# Allegro board zp-dic_pda_8ch_board_v001_166_20241018_1809.brd (continued)
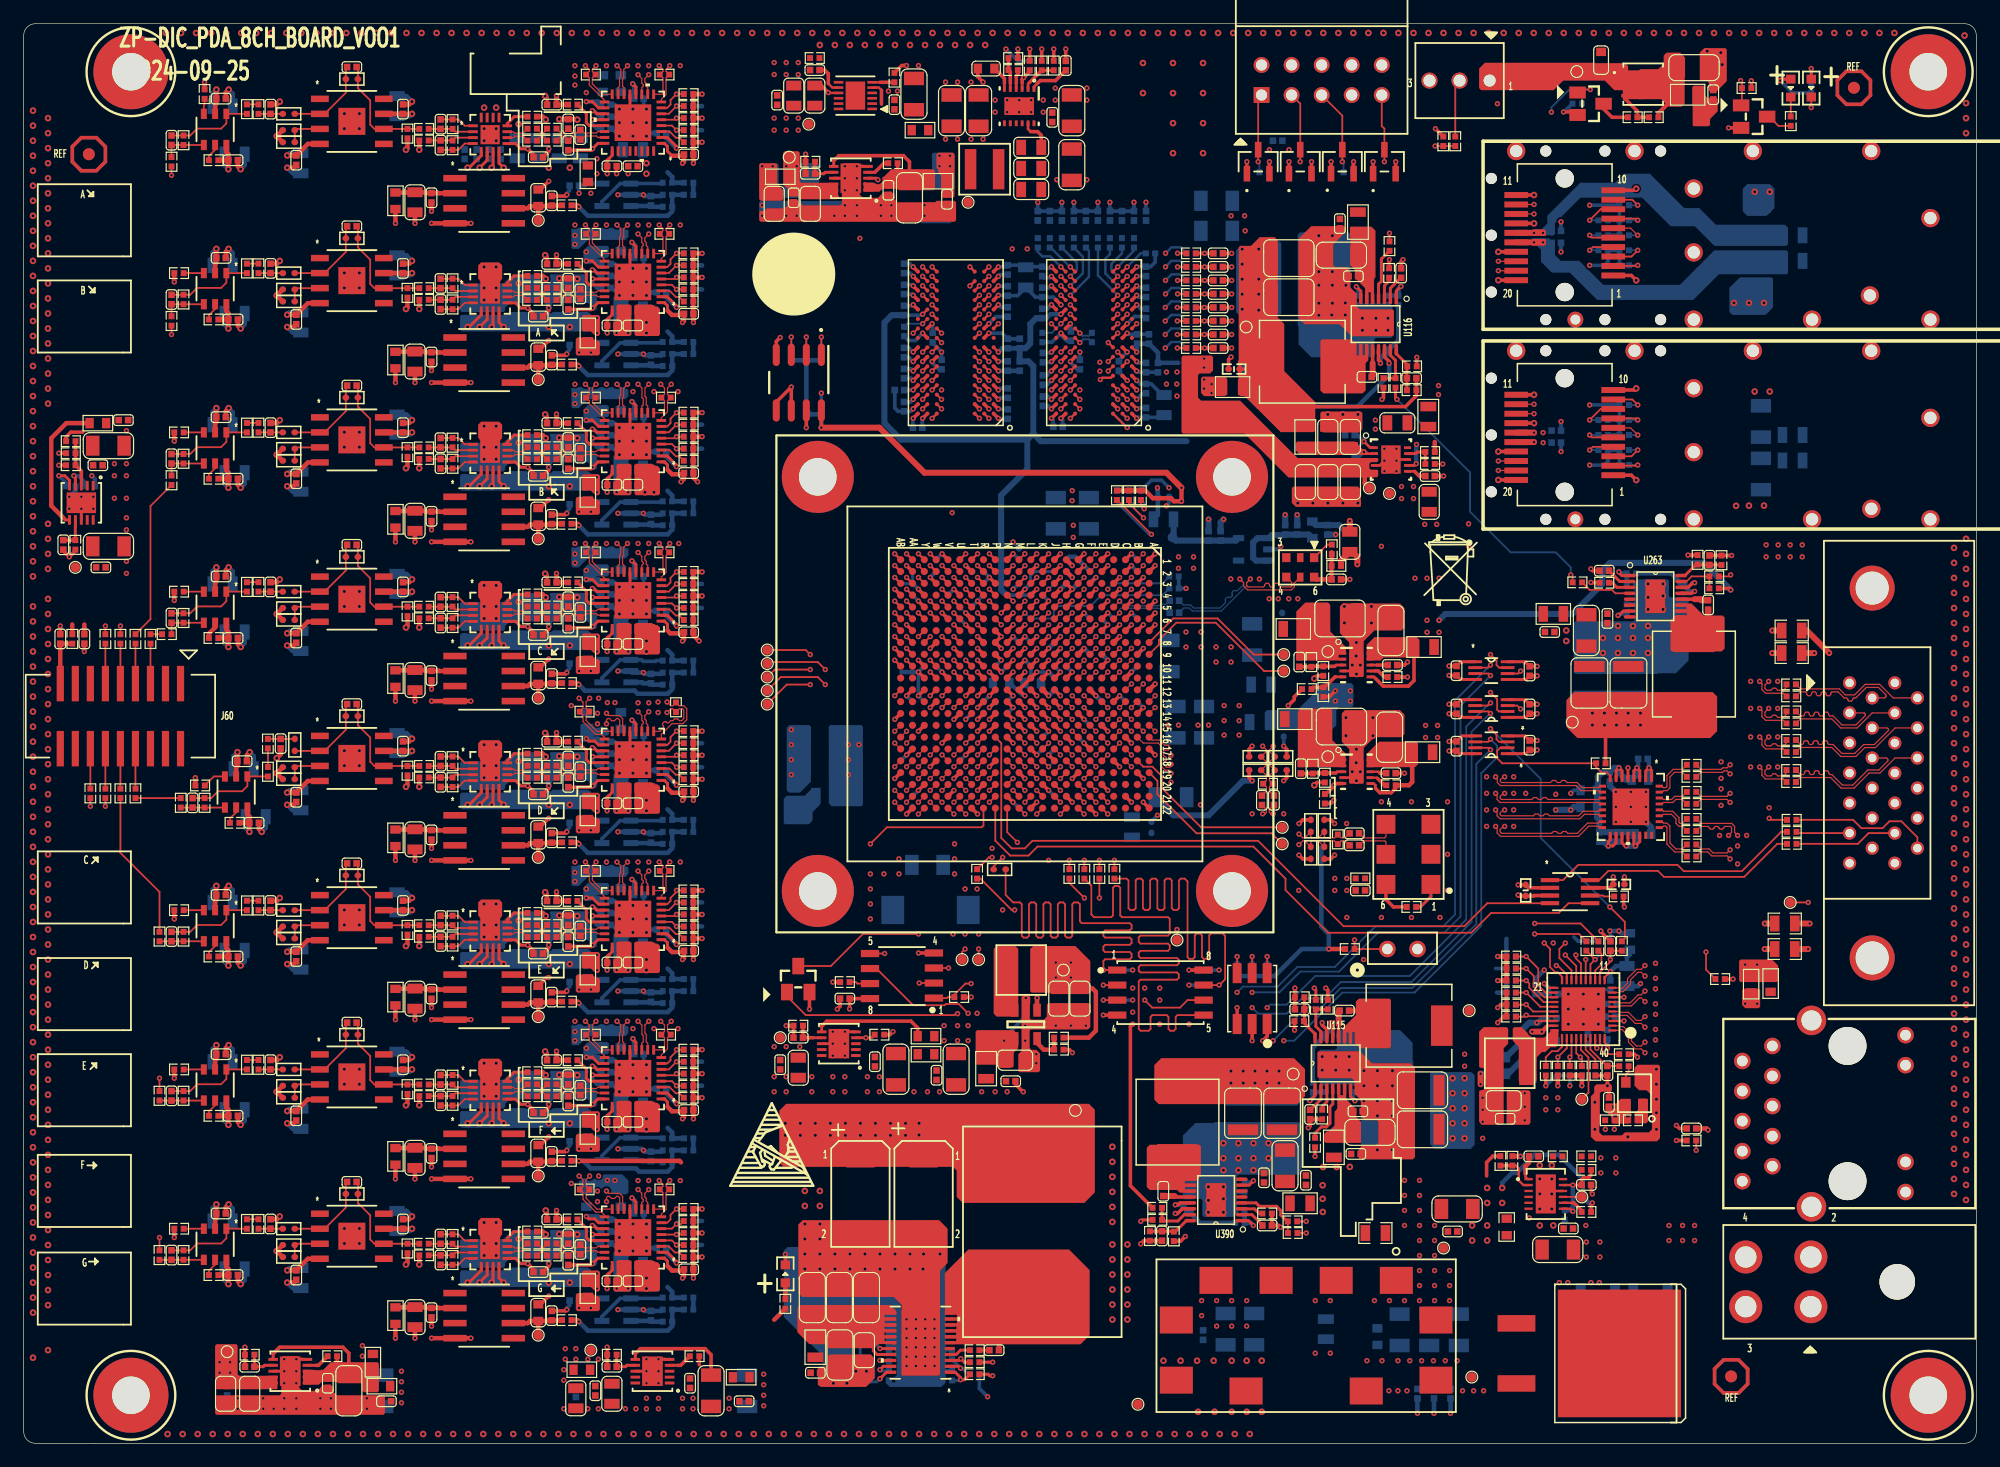
[diagram p0: board, top side]
## Routing (per net, layer and track width the routed paths; a pad name or vN(x,y) marks a point on that pad's centre or on a via; arc(x,y) is an arc through that point) (continued)
DDR3_A_D24: length 20.5
  TOP w0.203: U76.D7 v1(88.45,89.04) ; U1.N2 v1(83.6,74.19)
  ART03 w0.102: 88.05,86.43 88.05,87.75 88.15,87.85 88.75,87.85 88.85,87.95 88.85,88.16 88.75,88.26 88.15,88.26 88.05,88.36 88.05,88.64 v1(88.45,89.04)
  ART03 w0.165: v1(83.6,74.19) 83.6,74.58 83.18,75.01 83.18,75.53 83.42,75.77 83.86,75.77 84.03,75.93 84.03,76.55 87.35,79.87 87.35,81.36 88.54,82.55 88.54,85.94 88.05,86.43
DDR3_A_D25: length 18.4
  TOP w0.203: U1.L1 v1(85.6,75.19) ; U76.C3 v1(92.45,88.24)
  ART03 w0.102: v1(92.45,88.24) 92.75,88.24 92.85,88.14 92.85,87.27 92.61,87.04 92.41,87.04 92.38,87.01
  ART03 w0.165: v1(85.6,75.19) 85.6,75.64 86.31,76.35 86.81,76.35 88.56,78.1 88.89,78.1 89.94,79.15 89.94,79.98 91.99,82.03 91.99,84.59 91.88,84.71 91.88,86.52 92.37,87.01 92.38,87.01
DDR3_A_D26: length 25.2
  TOP w0.203: U76.C8 v1(87.65,88.24) ; U1.L5 v1(85.6,71.19)
  ART03 w0.102: 86.48,88.64 87.25,88.64 v1(87.65,88.24)
  ART03 w0.165: v1(85.6,71.19) 85.21,71.19 84.63,71.77 84.43,71.77 84.07,72.12 84.07,72.33 83.68,72.72 83.48,72.72 82.63,73.56 82.63,76.49 86.34,80.2 86.34,83.71 86.51,83.87 86.57,83.87 86.74,84.04 86.74,84.37 86.57,84.53 86.51,84.53 86.34,84.7 86.34,85.03 86.51,85.19 86.57,85.19 86.74,85.36 86.74,85.69 86.57,85.85 86.51,85.85 85.46,86.9 85.46,88.21 85.89,88.64 86.48,88.64
DDR3_A_D27: length 22.6
  TOP w0.203: U76.C2 v1(93.25,88.24) ; U1.L3 v1(85.6,73.19)
  ART03 w0.102: v1(93.25,88.24) 93.25,88.01 93.65,87.61 93.65,87.27 93.41,87.04 93.08,87.04 92.8,86.75
  ART03 w0.165: 92.8,86.75 92.56,86.75 92.35,86.54 92.35,85.22 92.46,85.1 92.46,84.94 92.62,84.78 92.76,84.78 92.92,84.61 92.92,84.28 92.76,84.12 92.62,84.12 92.46,83.95 92.46,83.62 92.62,83.46 92.76,83.46 92.92,83.29 92.92,82.96 92.76,82.8 92.62,82.8 92.46,82.63 92.46,81.83 90.55,79.92 90.55,77.74 89.97,77.16 88.56,77.16 87.47,76.07 86.77,76.07 86.1,75.41 86.1,73.69 v1(85.6,73.19)
DDR3_A_D28: length 22.4
  TOP w0.203: U1.M3 v1(84.6,73.19) ; U76.A7 v1(88.45,86.64)
  ART03 w0.165: v1(84.6,73.19) 84.6,73.43 84.03,74 84.03,75.34 84.5,75.82 84.5,76.36 87.82,79.68 87.82,80.36 88.22,80.76 88.22,81 88.05,81.17 88.05,81.4 88.28,81.63 88.52,81.63 88.67,81.48 88.91,81.48 89.07,81.64 89.07,81.92 88.97,82.02 88.97,82.34 89.14,82.51 89.8,82.51 89.96,82.67 89.96,84.22 90.23,84.49 90.23,85.05 90.07,85.21 89.58,85.21 89.42,85.38 89.42,85.71 89.58,85.87 90.02,85.87 90.19,86.04 90.19,86.78 90.02,86.95 89.79,86.95 89.58,86.74 89.2,86.74 88.9,87.05 88.61,87.05 88.45,86.88 v1(88.45,86.64)
DDR3_A_D29: length 20.1
  TOP w0.203: U76.A2 v1(93.25,86.64) ; U1.K1 v1(86.6,75.19)
  ART03 w0.165: v1(93.25,86.64) 92.82,86.21 92.82,85.62 93.56,84.88 93.93,84.88 94.09,84.71 94.09,84.38 93.93,84.22 93.56,84.22 93.39,84.05 93.39,83.72 93.56,83.56 93.93,83.56 94.09,83.39 94.09,83.06 93.93,82.9 93.56,82.9 93.39,82.73 93.39,81.83 92.95,81.39 92.69,81.39 92.35,81.06 92.35,80.79 92.02,80.46 91.75,80.46 91.42,80.12 91.42,79.86 91.17,79.61 91.17,79.37 91.33,79.21 91.34,79.21 91.49,79.06 91.49,78.86 91.34,78.71 91.16,78.71 91.02,78.57 91.02,77.54 89.64,76.16 88.36,76.16 87.9,75.69 86.77,75.69 86.6,75.53 v1(86.6,75.19)
DDR3_A_D30: length 21.7
  TOP w0.203: U1.N3 v1(83.6,73.19) ; U76.B8 v1(87.65,87.44)
  ART03 w0.102: v1(87.65,87.44) 87.65,87.67 87.35,87.97 87.24,87.97 87.11,87.84 86.66,87.84 86.44,88.06
  ART03 w0.165: v1(83.6,73.19) 83.75,73.34 83.75,73.57 83.58,73.74 83.12,73.74 82.91,73.95 82.91,76.1 86.81,80 86.81,81.82 87.55,82.56 87.55,85.59 86.93,86.21 86.67,86.21 85.82,87.06 85.82,87.67 86.21,88.06 86.44,88.06
DDR3_A_D31: length 20.4
  TOP w0.203: v1(93.25,85.86) 93.23,85.86 U76.A3 ; U1.K2 v1(86.6,74.19)
  ART03 w0.165: v1(93.25,85.86) 93.61,85.86 93.71,85.76 93.94,85.76 94.15,85.98 94.39,85.98 94.62,85.74 94.62,85.51 94.41,85.3 94.41,85.06 94.56,84.91 94.56,82.33 91.96,79.73 91.96,77.81 89.76,75.62 89.29,75.62 89.12,75.45 89.12,75.11 88.78,74.77 86.77,74.77 86.6,74.6 v1(86.6,74.19)
DDR3_A_DM0: length 21.7
  TOP w0.203: U1.AB1 v1(73.6,75.19) ; U75.E7 v1(76.76,89.84)
  ART08 w0.102: v1(76.76,89.84) 76.36,90.24 74.72,90.24
  ART08 w0.165: 74.72,90.24 74.56,90.08 74.56,89.01 73.73,88.18 73.73,87.81 73.9,87.65 74.56,87.65 74.72,87.48 74.72,87.15 74.56,86.99 73.9,86.99 73.73,86.82 73.73,85.47 73.68,85.47 73.02,84.81 73.02,79.11 72.77,78.86 72.77,77.13 72.93,76.97 73.1,76.97 73.26,76.8 73.26,76.47 73.1,76.31 73.06,76.31 72.89,76.14 72.89,75.91 v1(73.6,75.19)
DDR3_A_DM1: length 23.5
  TOP w0.203: U75.D3 v1(80.76,89.04) ; U1.U3 v1(78.6,73.19)
  ART03 w0.165: v1(80.76,89.04) 79.87,88.14 79.87,86.21 81.76,84.31 82.3,84.31 82.47,84.15 82.47,83.82 82.3,83.65 81.76,83.65 81.59,83.49 81.59,83.24 81.76,83.08 82.05,83.08 82.22,82.91 82.22,82.58 82.05,82.42 81.76,82.42 81.59,82.25 81.59,81.43 81.43,81.26 81,81.26 80.57,80.83 80.57,80.62 80.74,80.45 81.29,80.45 81.45,80.29 81.45,79.96 81.29,79.79 80.74,79.79 80.57,79.63 80.57,78.02 78.76,76.21 78.76,74.7 79.04,74.42 79.04,73.99 78.6,73.55 v1(78.6,73.19)
DDR3_A_DM2: length 25.9
  TOP w0.203: U1.P1 v1(81.6,75.19) ; U76.E7 v1(88.45,89.84)
  ART08 w0.102: v1(88.45,89.84) 88.05,89.44 88.05,86.43
  ART08 w0.165: 88.05,86.43 87.22,85.6 87.22,85.37 87.54,85.05 87.54,84.81 87.31,84.58 87.08,84.58 86.75,84.9 86.48,84.9 86.09,84.51 86.09,84.28 86.66,83.7 86.66,83.47 87.09,83.04 87.09,82.12 86.93,81.96 85.81,81.96 85.43,81.58 85.43,80.91 85.72,80.63 86.97,80.63 87.13,80.46 87.13,80.13 86.97,79.97 86.1,79.97 85.94,79.8 85.94,77.66 85.1,76.83 84.87,76.83 84.7,76.99 84.47,76.99 84.23,76.76 84.23,76.53 84.4,76.36 84.4,76.12 84.04,75.77 83.58,75.77 83,75.19 v1(81.6,75.19)
DDR3_A_DM3: length 23.3
  TOP w0.203: U76.D3 v1(92.45,89.04) ; U1.K3 v1(86.6,73.19)
  ART03 w0.102: 94.61,87.44 94.21,87.84 93.88,87.84 93.65,88.07 93.65,88.41 93.41,88.64 92.85,88.64 v1(92.45,89.04)
  ART03 w0.165: 94.61,87.44 95.09,86.96 95.09,82.2 92.47,79.58 92.47,77.66 90.12,75.3 90.12,75.1 89.67,74.65 89.46,74.65 89.15,74.34 89.15,74.14 88.7,73.69 87.1,73.69 v1(86.6,73.19)
DDR3_A_DQS0_N: length 24.4
  TOP w0.165: U75.G3 v1(80.76,91.44) ; U1.Y2 v1(75.6,74.19)
  ART08 w0.102: 75.89,74.01 76.01,74.13 76.01,75.28 76,75.29 76,75.46 76.04,75.5 76.04,75.51 76.06,75.53
  ART08 w0.114: 76.06,75.53 77.47,76.94 77.47,80.21 77.71,80.45 77.9,80.45 78.01,80.57 78.01,81.03 77.9,81.14 77.71,81.14 77.47,81.38 77.47,82.02 77.71,82.26 77.9,82.26 78.01,82.37 78.01,82.83 77.9,82.94 77.71,82.94 77.47,83.18 77.47,83.59 78.26,84.39 78.85,84.39 79.11,84.65 79.11,85.73 79.35,85.97 80.02,85.97 80.14,86.09 80.14,86.55 80.02,86.66 79.35,86.66 79.11,86.9 79.11,87.37 79.99,88.25 79.99,90.6 80.47,91.08 80.47,91.15 v1(80.76,91.44) ; 75.89,74.01 75.78,74.01 v1(75.6,74.19)
DDR3_A_DQS0_P: length 24.5
  TOP w0.165: U75.F3 v1(80.76,90.64) ; U1.Y3 v1(75.6,73.19)
  ART08 w0.102: 76.21,75.37 76.21,73.8
  ART08 w0.114: 76.21,73.8 v1(75.6,73.19) ; 76.21,75.37 77.68,76.85 77.68,80.12 77.8,80.24 77.99,80.24 78.23,80.48 78.23,81.12 77.99,81.36 77.8,81.36 77.68,81.47 77.68,81.93 77.8,82.04 77.99,82.04 78.23,82.28 78.23,82.92 77.99,83.16 77.8,83.16 77.68,83.27 77.68,83.5 78.35,84.17 78.94,84.17 79.33,84.56 79.33,85.64 79.44,85.76 80.11,85.76 80.35,86 80.35,86.64 80.11,86.88 79.44,86.88 79.33,86.99 79.33,87.28 80.21,88.16 80.21,90.51 80.47,90.77 80.63,90.77 v1(80.76,90.64)
DDR3_A_DQS1_N: length 21.1
  TOP w0.165: v1(77.56,87.44) U75.B7 ; U1.V2 v1(77.6,74.19)
  ART03 w0.114: v1(77.56,87.44) 77.85,87.73 78.09,87.73 78.29,87.53 78.63,87.53 78.76,87.65 78.92,87.65 79.08,87.49 79.08,87.33 78.96,87.2 78.96,86.86 79.17,86.65 79.17,86.09 79.07,85.99 79.07,85.54 79.71,84.9 79.71,84.65 79.95,84.41 80.36,84.41 80.48,84.29 80.48,83.84 80.36,83.72 79.95,83.72 79.71,83.48 79.71,82.98 79.95,82.74 80.62,82.74 80.73,82.63 80.73,82.17 80.62,82.05 79.95,82.05 79.71,81.81 79.71,78.38 79.41,78.08 79.25,78.08 79.22,78.12 79.05,78.12 78.89,77.96 78.89,77.79 78.93,77.76 78.93,77.6 78.71,77.38 78.42,77.38 78.24,77.2 78.24,76.91 78.06,76.73 78.06,76.42 77.87,76.23 77.87,75.92 78.06,75.73 78.06,74.65 v1(77.6,74.19)
DDR3_A_DQS1_P: length 20.8
  TOP w0.165: v1(77.56,88.24) U75.C7 ; U1.U2 v1(78.6,74.19)
  ART03 w0.114: v1(78.6,74.19) 78.28,74.52 78.28,76.64 79.93,78.29 79.93,81.72 80.04,81.84 80.71,81.84 80.95,82.08 80.95,82.72 80.71,82.96 80.04,82.96 79.93,83.07 79.93,83.39 80.04,83.51 80.45,83.51 80.69,83.75 80.69,84.38 80.45,84.62 80.04,84.62 79.93,84.74 79.93,84.99 79.28,85.63 79.28,85.9 79.38,86 79.38,86.74 79.17,86.95 79.17,87.11 79.3,87.24 79.3,87.58 79.01,87.87 78.67,87.87 78.54,87.74 78.38,87.74 78.18,87.95 77.85,87.95 v1(77.56,88.24)
DDR3_A_DQS2_N: length 30.6
  TOP w0.165: U1.N4 v1(83.6,71.19) ; U76.G3 v1(91.65,91.44)
  ART08 w0.102: 84.24,70.59 84.25,70.57 84.27,70.58 84.34,70.59 86.84,70.59 87.21,70.95 87.21,71.36 87.44,71.59 87.91,71.59 88.21,71.88 88.21,75.36
  ART08 w0.114: v1(83.6,71.19) 83.88,71.19 84,71.07 84,70.83 84.24,70.59 ; v1(91.65,91.44) 91.94,91.15 92.19,91.15 92.43,90.91 92.43,89.97 91.94,89.48 91.94,85.57 91.61,85.24 91.61,84.82 91.72,84.71 92.34,84.71 92.58,84.47 92.58,83.83 92.34,83.59 91.72,83.59 91.61,83.48 91.61,78.35 88.87,75.62 88.46,75.62 88.21,75.36
DDR3_A_DQS2_P: length 30.8
  TOP w0.165: U76.F3 v1(91.65,90.64) ; U1.M5 v1(84.6,71.19)
  ART08 w0.102: 88.06,75.52 88.04,75.5 88.04,75.49 88,75.45 88,75.28 88.01,75.27 88.01,71.97 87.83,71.79 87.36,71.79 87.01,71.44 87.01,71.04 86.76,70.79 84.34,70.79 84.33,70.81
  ART08 w0.114: 84.33,70.81 84.22,70.92 84.22,71.08 84.33,71.19 v1(84.6,71.19) ; v1(91.65,90.64) 91.94,90.93 92.1,90.93 92.22,90.82 92.22,90.06 91.73,89.57 91.73,89.45 91.53,89.25 91.53,88.99 91.73,88.8 91.73,88.54 91.53,88.34 91.53,88.08 91.73,87.88 91.73,87.62 91.53,87.43 91.53,87.17 91.73,86.97 91.73,86.71 91.53,86.51 91.53,86.25 91.73,86.05 91.73,85.66 91.39,85.33 91.39,84.73 91.63,84.49 92.25,84.49 92.36,84.38 92.36,83.92 92.25,83.81 91.63,83.81 91.39,83.57 91.39,83.41 91.26,83.28 91.26,82.96 91.39,82.82 91.39,78.44 91.17,78.22 91,78.22 91,78.22 90.84,78.22 90.68,78.06 90.68,77.9 90.68,77.89 90.68,77.73 90.52,77.57 90.36,77.57 90.35,77.57 90.19,77.57 90.03,77.41 90.03,77.25 90.03,77.25 90.03,77.09 89.73,76.78 89.5,76.78 89.29,76.57 89.29,76.34 88.78,75.83 88.37,75.83 88.06,75.52
DDR3_A_DQS3_N: length 19.9
  TOP w0.165: U1.M1 v1(84.6,75.19) ; v1(89.25,87.44) U76.B7
  ART03 w0.102: 86.07,76.98 86.05,76.96 86.05,76.95 86.01,76.91 86.01,76.9 85,75.9 85,74.91 84.82,74.73 84.6,74.73 84.49,74.83 84.49,75.08 v1(84.6,75.19)
  ART03 w0.114: v1(89.25,87.44) 89.25,87.64 89.42,87.82 90.12,87.82 91.01,86.92 91.01,83.93 90.9,83.82 90.85,83.82 90.61,83.58 90.61,83.17 90.85,82.93 90.9,82.93 91.01,82.81 91.01,82.28 89.07,80.34 89.07,79.51 88.64,79.07 88.16,79.07 86.07,76.98
DDR3_A_DQS3_P: length 20.6
  TOP w0.165: v1(89.25,88.24) U76.C7 ; U1.M2 v1(84.6,74.19)
  ART03 w0.102: 86.22,76.83 85.21,75.81 85.21,74.82 84.91,74.52 84.71,74.52 84.6,74.42 v1(84.6,74.19)
  ART03 w0.114: 86.22,76.83 88.25,78.85 88.73,78.85 89.29,79.42 89.29,80.25 91.23,82.19 91.23,82.22 91.34,82.33 91.34,82.79 90.99,83.15 90.94,83.15 90.83,83.26 90.83,83.49 90.94,83.6 90.99,83.6 91.33,83.95 91.33,84.32 91.23,84.43 91.23,86.23 91.38,86.39 91.38,86.69 91.23,86.84 91.23,87.01 90.75,87.49 90.75,87.75 90.56,87.94 90.3,87.94 90.21,88.03 89.45,88.03 v1(89.25,88.24)
DDR3_A_ODT: length 75.2
  TOP w0.203: R484.2 v1(97.48,93.73) ; U75.K1 82.36,94.64 v1(82.36,94.64) ; U76.K1 v1(94.05,94.64) ; U1.Y6 v1(75.6,70.19)
  ART06 w0.102: 80.25,94.84 80.45,95.04 81.96,95.04 82.08,94.92 82.08,94.92 v1(82.36,94.64) 82.65,94.92 82.65,94.92 82.77,95.04 93.65,95.04 v1(94.05,94.64) 94.42,94.26 96.95,94.26 v1(97.48,93.73)
  ART06 w0.178: v1(75.6,70.19) 75.13,70.67 75.13,71.48 75.38,71.73 75.82,71.73 77.14,73.05 77.14,73.33 77.46,73.66 78.79,73.66 79.12,73.99 79.12,74.4 79.4,74.68 79.75,74.68 80.04,74.96 80.04,77.32 80.41,77.7 82.39,77.7 82.57,77.87 82.57,78.23 82.39,78.41 80,78.41 79.82,78.59 79.82,78.94 80,79.12 82.39,79.12 82.57,79.3 82.57,79.65 82.39,79.83 79.9,79.83 79.73,80.01 79.73,80.37 79.9,80.54 82.39,80.54 82.57,80.72 82.57,81.08 82.39,81.25 80.97,81.25 80.8,81.43 80.8,83.14 80.97,83.31 83.36,83.31 83.54,83.49 83.54,83.85 83.36,84.03 80.41,84.03 80.23,84.2 80.23,84.56 80.41,84.74 83.36,84.74 83.54,84.91 83.54,85.27 83.36,85.45 80.41,85.45 79.85,86 79.85,94.44 80.25,94.84
DDR3_A_RAS_B: length 78.8
  TOP w0.203: R482.2 v1(97.48,92.58) ; U75.J3 v1(80.76,93.84) ; U1.W6 v1(76.6,70.19) ; U76.J3 v1(92.45,93.84)
  ART06 w0.102: v1(97.48,92.58) 97.03,93.04 94.76,93.04 93.56,94.24 92.85,94.24 v1(92.45,93.84) 92.04,94.24 87.42,94.24 87.42,94.24 84.92,94.24 84.82,94.34 84.82,94.44 84.72,94.54 84.52,94.54 84.42,94.44 84.42,94.34 84.31,94.24 81.16,94.24 v1(80.76,93.84)
  ART06 w0.178: v1(76.6,70.19) 76.12,70.68 76.12,71.32 77.56,72.76 82.28,72.76 83.17,73.66 83.17,75.8 83,75.98 81.49,75.98 81.32,76.16 81.32,76.51 81.49,76.69 83,76.69 83.17,76.87 83.17,77.36 83.18,77.37 83.18,77.55 83.36,77.72 86.1,77.72 86.28,77.9 86.28,78.26 86.1,78.44 83.36,78.44 83.18,78.61 83.18,78.97 83.36,79.15 86.1,79.15 86.28,79.32 86.28,79.68 86.1,79.86 83.36,79.86 83.18,80.04 83.18,80.39 83.36,80.57 86.1,80.57 86.28,80.75 86.28,81.1 86.1,81.28 83.36,81.28 83.18,81.46 83.18,81.84 84.49,83.15 84.49,84.47 84.67,84.65 86.18,84.65 86.36,84.82 86.36,85.18 86.18,85.36 84.67,85.36 83.92,86.11 80.68,86.11 80.18,86.6 80.18,93.26 v1(80.76,93.84)
DDR3_A_RESET_B: length 72.5
  TOP w0.203: U76.T2 v1(93.25,99.44) ; U75.T2 v1(81.56,99.44) ; U1.W12 v1(76.6,63.19)
  ART06 w0.178: v1(93.25,99.44) 92.76,99.92 82.05,99.92 v1(81.56,99.44)
  ART08 w0.102: 74.62,99.04 77.41,99.04 77.52,98.93
  ART08 w0.165: v1(76.6,63.19) 75.74,64.06 71.62,64.06 64.11,71.57 64.11,91.09 66.09,93.08 67.82,93.08 73.78,99.04 74.62,99.04 ; v1(81.56,99.44) 80.82,99.44 80.31,98.93 77.52,98.93
  BOTTOM w0.203: R8.1 94.39,100.58 v1(93.25,99.44)
DDR3_A_S0_B: length 73.2
  TOP w0.203: R479.2 v1(97.5,97.16) ; U75.L2 v1(81.56,95.44) ; U1.AA5 v1(74.6,71.19) ; U76.L2 v1(93.25,95.44)
  ART06 w0.102: v1(97.5,97.16) 96.99,96.64 95.65,96.64 94.45,95.44 v1(93.25,95.44) 92.85,95.84 85.04,95.84 84.94,95.94 84.94,96.06 84.84,96.16 84.64,96.16 84.53,96.06 84.53,95.94 84.43,95.84 81.96,95.84 v1(81.56,95.44) 81.16,95.84 80.41,95.84
  ART06 w0.178: v1(74.6,71.19) 74.6,71.51 75.1,72.01 75.1,72.3 75.43,72.62 75.85,72.62 76.04,72.81 76.04,73.45 76.35,73.76 76.78,73.76 77.04,74.01 77.04,74.45 77.26,74.68 78.79,74.68 79.17,75.06 79.17,75.73 78.99,75.91 77.75,75.91 77.57,76.09 77.57,76.44 77.75,76.62 78.99,76.62 79.17,76.8 79.17,77.15 78.99,77.33 77.75,77.33 77.57,77.51 77.57,77.86 77.75,78.04 78.99,78.04 79.17,78.22 79.17,79.26 78.99,79.43 77.72,79.43 77.54,79.61 77.54,79.97 77.72,80.15 78.99,80.15 79.17,80.32 79.17,80.68 78.99,80.86 77.72,80.86 77.54,81.03 77.54,81.39 77.72,81.57 78.99,81.57 79.52,82.1 79.52,82.66 79.35,82.84 77.79,82.84 77.62,83.02 77.62,83.43 77.79,83.61 79.57,83.61 79.75,83.79 79.75,84.15 79.57,84.32 77.79,84.32 77.62,84.5 77.62,84.93 77.79,85.11 79.35,85.11 79.52,85.29 79.52,85.7 79.35,85.88 77.94,85.88 77.76,86.06 77.76,86.41 77.94,86.59 79.35,86.59 79.52,86.77 79.52,86.94 79.35,87.12 78.53,87.12 78.36,87.29 78.36,87.65 78.53,87.83 79.35,87.83 79.52,88.01 79.52,94.95 80.41,95.84
DDR3_A_WE_B: length 81.6
  TOP w0.203: U1.U7 v1(78.6,69.19) ; U75.L3 v1(80.76,95.44) ; U76.L3 v1(92.45,95.44)
  ART08 w0.102: v1(96.47,93.73) 95.76,93.73 94.45,95.04 92.85,95.04 v1(92.45,95.44) U76.L3 84.45,95.04 84.35,94.94 84.35,94.87 84.24,94.76 84.04,94.76 83.94,94.87 83.94,94.94 83.84,95.04 81.16,95.04 v1(80.76,95.44) 78.54,95.44 78.14,95.84 74.85,95.84
  ART08 w0.165: v1(78.6,69.19) 78.6,68.85 78.18,68.43 78.18,68.15 77.69,67.67 70.75,67.67 66.1,72.32 66.1,75.11 66.26,75.28 67.19,75.28 67.35,75.44 67.35,75.77 67.19,75.94 66.26,75.94 66.1,76.1 66.1,76.43 66.26,76.6 67.19,76.6 67.35,76.76 67.35,77.09 67.19,77.26 66.26,77.26 66.1,77.42 66.1,77.89 66.54,78.33 68.5,78.33 70.46,80.3 70.46,83.08 68.5,85.05 66.74,85.05 66.57,85.22 66.57,87.32 68.8,89.55 68.8,90 68.97,90.17 69.45,90.17 69.62,90.33 69.62,90.67 69.45,90.83 68.97,90.83 68.8,91 68.8,91.36 73.28,95.84 74.85,95.84
  BOTTOM w0.203: R480.2 97.74,94.23 96.98,94.23 v1(96.47,93.73)
EEPROM_CS_B: length 22.7
  TOP w0.152: v1(80.06,38.86) 79.57,38.86 78.64,37.93 R2152.2 78.11,37.72 78.02,37.64 U273.1 ; U1.M20 v1(84.6,55.19)
  ART08 w0.102: v1(84.6,55.19) 84.6,54.97 84.21,54.57 84.21,53.81 83.69,53.29 83.69,51.64 83.23,51.18 83.23,49.4 81.83,48.01 81.83,42.67 81.33,42.16 81.33,40.13 v1(80.06,38.86)
EEPROM_SCK: length 30.5
  TOP w0.152: U273.6 72.06,40.13 75.15,37.03 77.82,37.03 77.92,37.13 79.01,37.13 v1(79.8,36.35) ; U1.L21 v1(84.61,54.19)
  ART08 w0.102: v1(84.61,54.19) 84.61,53.8 84.07,53.26 84.07,51.56 83.54,51.03 83.54,49.2 82.22,47.88 82.22,42.42 81.71,41.91 81.71,38.25 v1(79.8,36.35)
EEPROM_SI: length 21.6
  TOP w0.152: U1.R18 v1(80.6,57.19) ; U273.5 v1(72.75,41.4)
  ART08 w0.102: v1(80.6,57.19) 80.6,56.81 80,56.2 80,52.95 79.49,52.44 78.39,52.44 74.55,48.59 74.55,43.2 v1(72.75,41.4)
EEPROM_SO: length 22.6
  TOP w0.152: U273.2 v1(75.68,38.91) ; U1.R19 v1(80.6,56.19)
  ART08 w0.102: v1(75.68,38.91) 74.82,39.76 74.82,48.44 78.47,52.08 79.51,52.08 80.21,52.78 80.21,55.8 v1(80.6,56.19)
EEPROM_WP_B: length 21.3
  TOP w0.152: U273.3 v1(78.15,40.18) ; U1.P19 v1(81.6,56.19)
  ART08 w0.102: v1(78.15,40.18) 78.15,41.91 77.01,43.05 77.01,49.71 78.74,51.44 79.96,51.44 81.28,52.76 81.28,53.49 81,53.77 81,54.03 81,54.03 81,55.59 v1(81.6,56.19)
FAN_FG: length 91.9
  TOP w0.152: R1929.2 R1928.2 v1(119.27,109.66) ; U1.N20 v1(83.6,56.19)
  ART03 w0.102: v1(122.09,77.72) 121.59,78.23 121.59,98.17 119.27,100.49 v1(119.27,109.66)
  ART08 w0.102: v1(83.6,56.19) 82.9,56.9 82.9,58.58 82.42,59.07 82.42,63.32 83.87,64.77 86.91,64.77 87.17,65.02 87.17,68.33 87.64,68.8 91.77,68.8 92.12,69.15 92.12,69.6 92.25,69.72 92.88,69.72 93.14,69.98 93.14,70.49 93.39,70.74 93.9,70.74 94.15,70.99 94.15,71.37 94.41,71.63 98.73,71.63 101.68,74.58 103.76,74.58 106.02,76.84 109.22,76.84 109.73,76.33 120.7,76.33 v1(122.09,77.72)
FPGA_CCLK_R: length 29
  TOP w0.152: R507.1 81.56,49.53 v1(81.83,49.53) ; U1.G7 v1(89.6,69.19)
  ART08 w0.102: v1(89.6,69.19) 89.21,69.59 87.32,69.59 87.12,69.38 87.12,69.06 86.76,68.71 86.38,68.71 86.1,68.43 86.1,68.05 85.77,67.72 85.37,67.72 85.11,67.46 85.11,67.01 84.76,66.65 84.32,66.65 84.12,66.45 84.12,66.01 83.82,65.71 83.38,65.71 83.1,65.43 83.1,64.9 82.04,63.83 82.04,59.08 82.6,58.51 82.6,56.51 83.05,56.06 83.05,51.87 82.34,51.16 82.34,50.04 v1(81.83,49.53)
FPGA_CONFIG_D0_R: length 10.1
  TOP w0.152: U1.H18 v1(88.6,57.19) ; v1(89.63,49.28) R503.1
  ART08 w0.102: v1(88.6,57.19) 88.6,56.94 88.21,56.54 88.21,53.98 88.39,53.8 88.39,51.61 89.63,50.37 v1(89.63,49.28)
FPGA_CONFIG_D1_R: length 8.7
  TOP w0.152: R505.1 v1(88.36,49.28) ; U1.H19 v1(87.61,56.19)
  ART08 w0.102: v1(87.61,56.19) 88,55.8 88,51.24 88.36,50.88 v1(88.36,49.28)
FPGA_CONFIG_D2_R: length 10.6
  TOP w0.152: U1.G18 v1(89.6,57.19) ; v1(90.9,49.28) R509.1
  ART08 w0.102: v1(89.6,57.19) 89.6,57.17 89,56.57 89,53.88 88.82,53.7 88.82,51.89 90.9,49.81 v1(90.9,49.28)
FPGA_CONFIG_D3_R: length 13.1
  TOP w0.152: U1.F19 v1(89.61,56.19) ; v1(92.17,49.28) R511.1
  ART08 w0.102: v1(92.17,49.28) 91.87,49.28 91.48,49.67 91.48,49.81 91.7,50.04 91.7,50.18 91.56,50.32 91.41,50.32 91.19,50.1 91.05,50.1 90.9,50.24 90.9,50.39 91.13,50.61 91.13,50.75 90.98,50.9 90.84,50.9 90.61,50.67 90.47,50.67 90.33,50.82 90.33,50.96 90.55,51.19 90.55,51.33 90.41,51.47 90.26,51.47 90.04,51.25 89.9,51.25 89.75,51.39 89.75,51.54 89.98,51.76 89.98,51.9 89.83,52.05 89.69,52.05 89.46,51.82 89.32,51.82 89.21,51.93 89.21,55.8 v1(89.61,56.19)
FPGA_DONE_R: length 101.3
  TOP w0.152: Q15.1 145.19,113.16 R395.2 145.19,115.08 v1(145.08,115.19) ; U1.P6 v1(82.6,69.19)
  ART03 w0.102: v1(82.6,69.19) 82.64,69.19 83.16,68.68 87.75,68.68 88.11,69.04 88.11,69.39 88.51,69.8 90.11,69.8 91.11,70.8 91.8,70.8 92,71 92,71.5 92.29,71.8 92.87,71.8 93.21,72.13 93.21,73.55 93.44,73.79 93.76,73.79 94.1,74.13 94.1,75.87 94.87,76.63 94.87,77.09 95.88,78.11 96.19,78.11 96.57,78.49 97.71,78.49 98.34,79.12 98.34,87.63 v1(97.46,88.52)
  ART08 w0.102: v1(97.46,88.52) 97.71,88.52 99.61,90.42 100.12,90.42 100.38,90.68 100.38,102.74 104.44,106.81 115.36,106.81 119.11,110.55 140.45,110.55 v1(145.08,115.19)
FPGA_INIT_B_R: length 13.8
  TOP w0.152: U1.L7 v1(85.6,69.19)
  ART08 w0.102: v1(91.6,72.19) 90.02,70.61 88.31,70.61 88.1,70.4 88.1,70 87.9,69.8 86.21,69.8 v1(85.6,69.19)
  BOTTOM w0.152: v1(91.6,72.19) 92.1,72.69 96.21,72.69 R4.2
FPGA_M0: length 21.7
  TOP w0.152: U1.H7 v1(88.6,69.19) ; R337.1 92.4,79.74 v1(95.3,76.84)
  ART03 w0.102: v1(95.3,76.84) 95.1,76.64 95.1,74.03 94.87,73.79 94.36,73.79 94.1,73.53 94.1,72.03 93.66,71.59 92.39,71.59 92.21,71.41 92.21,70.9 91.89,70.59 91.28,70.59 90.28,69.59 89.32,69.59 88.92,69.19 v1(88.6,69.19)
  BOTTOM w0.152: v1(95.3,76.84) 95.04,76.84 92.38,79.5 R337.1
FPGA_M1: length 15.3
  TOP w0.152: U1.H6 v1(88.6,70.19) ; R338.1 94.41,79.27 v1(94.68,78.99)
  ART03 w0.102: v1(94.68,78.99) 95.17,78.51 95.17,77.85 94.59,77.27 94.59,76.73 93,75.15 93,73.01 92.68,72.69 92.35,72.69 92.1,72.45 92.1,72.02 91.78,71.69 91.5,71.69 90.4,70.59 89.05,70.59 88.65,70.19 v1(88.6,70.19)
  BOTTOM w0.152: v1(94.68,78.99) 94.68,79.46 R338.1
FPGA_M2: length 16.7
  TOP w0.152: U1.J5 v1(87.6,71.19) ; R339.1 93.39,79.46 v1(94.62,78.23)
  ART03 w0.102: v1(87.6,71.19) 88,70.8 90.15,70.8 91.21,71.86 91.21,72.37 92.76,73.91 92.76,75.21 94.31,76.76 94.31,77.91 v1(94.62,78.23)
  BOTTOM w0.152: R339.1 93.84,79.29 93.84,79.01 v1(94.62,78.23)
FPGA_MASTER_CLOCK_C_N: length 41.3
  TOP w0.102: U1.G10 v1(89.6,66.19) ; C3010.2 111.66,50.93 111.32,50.93 R2210.2 110.77,50.93 110,50.93 109.9,50.83 R2208.2 109.39,50.93 108.86,50.93 108.76,50.83 R2211.1 108.25,50.93 108.08,50.93 v1(107.76,50.61)
  ART03 w0.102: v1(107.76,50.61) 107.8,50.65 108.43,50.65 108.84,51.05 108.84,53.14 106.85,55.12 103.87,55.12 103.32,55.67 103.32,59.12 103.98,59.78 103.98,63.64 102.45,65.18 98.88,65.18 98.39,64.69 96.17,64.69 96.07,64.79 90.35,64.79 90.21,64.94 90.21,65.68 89.99,65.9 89.71,65.9 89.6,66 v1(89.6,66.19)
FPGA_MASTER_CLOCK_C_P: length 41.6
  TOP w0.102: v1(107.76,51.5) 108.08,51.18 108.25,51.18 R2212.1 108.76,51.28 108.86,51.18 109.39,51.18 R2209.2 109.9,51.28 110,51.18 110.77,51.18 R2210.1 111.32,51.18 111.66,51.18 C3009.2 ; U1.G11 v1(89.6,65.19)
  ART03 w0.102: v1(107.76,51.5) 107.76,51.18 107.89,51.05 108.26,51.05 108.43,51.22 108.43,52.97 108.01,53.39 107.86,53.39 107.83,53.35 107.68,53.35 107.54,53.49 107.54,53.64 107.58,53.68 107.58,53.82 107.43,53.96 107.29,53.96 107.25,53.93 107.11,53.93 106.96,54.07 106.96,54.21 107,54.25 107,54.4 106.69,54.71 105.8,54.71 105.7,54.61 105.7,54.56 105.6,54.46 105.4,54.46 105.3,54.56 105.3,54.61 105.19,54.71 104.99,54.71 104.89,54.61 104.89,54.56 104.79,54.46 104.59,54.46 104.48,54.56 104.48,54.61 104.38,54.71 103.7,54.71 102.92,55.5 102.92,59.28 103.58,59.94 103.58,63.47 102.28,64.77 99.05,64.77 98.77,64.49 96.08,64.49 95.98,64.59 90.27,64.59 90,64.86 90,65.59 89.9,65.69 89.71,65.69 89.6,65.59 v1(89.6,65.19)
FPGA_MASTER_CLOCK_N: length 3.5
  TOP w0.102: C3010.1 113.22,50.93 115.01,50.93 115.11,50.83 U103.5
FPGA_MASTER_CLOCK_P: length 3.5
  TOP w0.102: U103.4 115.11,51.28 115.01,51.18 113.22,51.18 C3009.1
FPGA_PROG_B_R: length 14.4
  TOP w0.152: U1.M6 v1(84.6,70.19)
  BOTTOM w0.152: R42.2 96.23,71.69 91.07,71.69 90.15,70.77 87.46,70.77 87.04,70.36 87.04,69.98 86.79,69.72 85.07,69.72 v1(84.6,70.19)
FPGA_RESET: length 1.4
  TOP w0.152: U1.E8 v1(91.6,68.19)
  BOTTOM w0.152: v1(91.6,68.19) 91.11,68.69 R41.1
FPGA_SFP1_LOS: length 45.4
  TOP w0.152: U287.7 124.68,65.57 124.46,65.79 124.46,66.17 v1(123.95,66.68) ; P3.8 133.26,104.32 v1(132.32,103.38)
  ART03 w0.102: v1(123.95,66.68) 123.95,78.41 125.9,80.37 125.9,88.47 127.47,90.04 127.47,97.19 131.11,100.84 131.11,102.17 v1(132.32,103.38)
  BOTTOM w0.152: R14.2 v1(132.32,103.38)
FPGA_SFP1_LOS_1V8: length 73.6
  TOP w0.152: v1(123.95,65.79) 123.73,65.57 U287.2 ; U1.K21 v1(85.61,55.19)
  ART08 w0.102: v1(85.61,55.19) 85.61,54.78 86.03,54.36 86.03,53.04 85.7,52.71 85.7,48.59 87.17,47.12 92.25,47.12 100,39.37 101.28,39.37 v1(102.54,38.12)
  BOTTOM w0.152: v1(102.54,38.12) 103.03,38.61 105.96,38.61 107.62,40.26 110.79,40.26 114.22,43.69 119.93,43.69 120.95,44.7 120.95,62.79 v1(123.95,65.79)
FPGA_SFP1_RX_N: length 60.2
  TOP w0.102: P3.12 v1(127.63,104.72) ; U1.G3 v1(89.6,73.19)
  ART08 w0.102: v1(89.6,73.19) 89.6,72.97 89.71,72.87 89.85,72.87 90,73.02 90,75.43 92.73,78.16 92.73,81.32 99.57,88.16 113.29,88.16 116.61,91.48 116.61,96.94 124.19,104.52 127.43,104.52 v1(127.63,104.72)
FPGA_SFP1_RX_P: length 60.1
  TOP w0.102: U1.G4 v1(89.6,72.19) ; P3.13 v1(127.63,103.92)
  ART08 w0.102: v1(89.6,72.19) 89.6,72.57 89.71,72.67 89.93,72.67 90.21,72.94 90.21,75.35 93.14,78.28 93.14,81.15 99.74,87.76 113.46,87.76 117.01,91.31 117.01,96.77 124.35,104.11 127.43,104.11 v1(127.63,103.92)
FPGA_SFP1_TX_DIS_1V8: length 76.2
  TOP w0.152: v1(123.95,61.69) 123.78,61.86 U49.7 ; U1.M17 v1(84.6,58.19)
  ART08 w0.102: v1(84.6,58.19) 85,57.79 85,56.82 85.21,56.61 85.21,52.91 85.06,52.76 85.06,48.08 87.66,45.48 91.09,45.48 99.31,37.26 103.37,37.26 v1(103.81,36.83)
  BOTTOM w0.152: v1(103.81,36.83) 104.31,36.32 106.73,36.32 108,37.59 109.9,37.59 111.3,38.99 117.26,38.99 122.35,44.08 122.35,60.15 123.89,61.69 v1(123.95,61.69)
